# Altium PCB AVCI_Mk1.PcbDoc (part 3 of 4)
Units mm, origin at the board's own origin, x right, y up, seen from the top; angles counter-clockwise.
Board outline 166.62 x 63.88 mm, 4 copper layers (Top Layer, GND, Power, Bottom Layer), stack 1.586 mm thick; 240 components, 214 nets, 1045 pads, 618 vias.
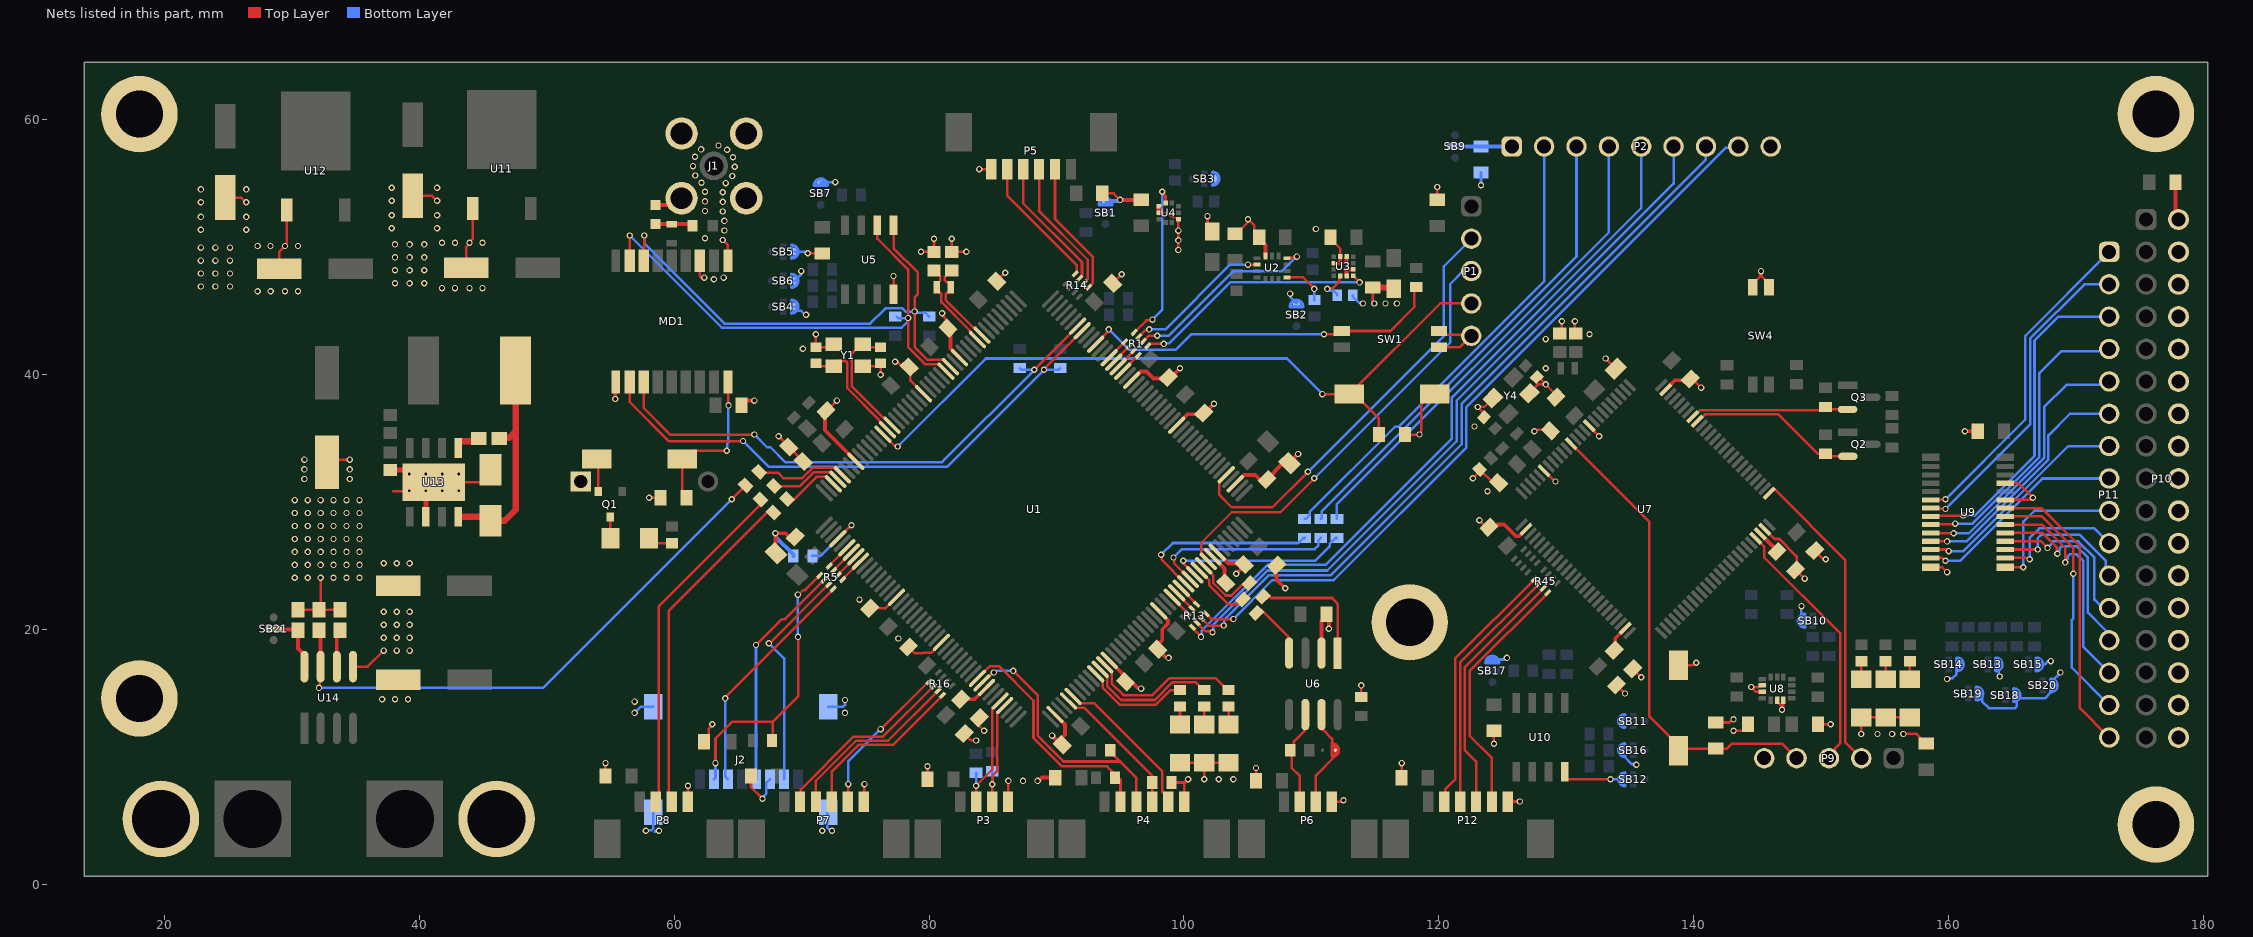
[diagram p5: the nets of this part, all layers, seen from the top]

## Via types
v1: diameter 0.5, hole 0.3, Top Layer to Bottom Layer, 609 vias
v2: diameter 0.5, hole 0.2, Top Layer to Bottom Layer, 8 vias
v3: diameter 0.5/0.5/0.5/0.5 (per signal layer), hole 0.3, Top Layer to Bottom Layer, 1 vias

## Nets (pads, with @x,y where several pads share a name; then routed paths per layer and width w, separated by ;. In a path a pad name is that pad's centre, name@x,y a point inside that pad or via, vN(x,y) a via of type N, cw(c..) or ccw(c..) an arc to the next point about the centre after c; other vN are vias at no path point) (continued)
GND: BT1.1 C1.1 C2.1 C3.2 C4.2 C5.2 C6.2 C7.2 C8.1 C9.1 C10.1 C11.2 C12.2 C13.2 C14.2 C15.2 C16.2 C17.2 C18.2 C19.2 C20.1 C21.2 C22.2 C23.2 C24.2 C25.2 C26.2 C27.2 C28.2 C29.1 C30.1 C31.2 C32.2 C33.2 C34.2 C35.2 C36.2 C37.2 C38.1 C39.2 C40.2 C41.2 C42.2 C43.2 C44.2 C45.2 C46.2 C47.2 C48.2 C49.2 C50.2 C51.2 C52.1 C53.1 C54.2 C55.2 C56.1 C57.1 C58.1 C59.1 C60.2 C61.2 C62.2 C63.2 C64.2 C65.2 C66.2 C67.2 C68.2 C69.1 C70.2 C71.2 C72.2 C74.2 C75.2 C76.2 C77.2 C78.2 C79.2 C80.2 C81.2 C82.2 C83.2 D1.1 D2.1 D3.1 D5.1 D6.1 D7.1 D8.2 J1.2 J1.3 J1.4 J1.5 J2.6 J2.Shell J3.N J4.N MD1.1 MD1.10 MD1.12 MP1.1 MP2.1 MP3.1 MP4.1 MP5.1 P1.5 P2.9 P3.4 P4.6 P5.6 P6.4 P7.6 P8.4 P9.5 P10.2 P10.4 P10.6 P10.8 P10.10 P10.12 P10.14 P10.16 P10.18 P10.20 P10.22 P10.24 P10.26 P10.28 P10.30 P10.32 P10.34 P12.6 Q1.2 R12.1 R30.1 R43.2 R75.1 SB1.2 SB2.2 SB3.2 SB4.2 SB5.2 SB6.2 SB7.2 SB10.2 SB11.2 SB12.2 SB13.2 SB14.2 SB15.2 SB16.2 SB17.2 SB18.2 SB19.2 SB20.2 SW1.3 SW1.4 SW2.2 SW3.2 SW4.3 SW4.4 SW5.2 U1.14 U1.22 U1.37 U1.61 U1.71 U1.90 U1.102 U1.113 U1.126 U1.135 U1.148 U1.158 U2.7 U3.2 U3.6 U3.8 U3.11 U3.12 U4.3 U4.8 U4.9 U5.4 U6.2 U7.10 U7.20 U7.27 U7.74 U7.99 U8.2 U8.3 U8.6 U8.7 U9.14 U9.23 U9.25 U10.4 U11.1 U12.1 U13.6 U13.9 U14.5 Y1.2 Y1.4 Y4.2 Y4.4 | length 291.5
  Top Layer w0.124: U4.9@98.048,52.706 98.678,52.706 99.06,52.324 U4.3@99.441,52.324
  Top Layer w0.2: C80.2@24.765,53.906 26.013,53.906 26.388,53.53 v1(26.416,53.53) ; C79.2@29.024,48.323 29.024,49.662 v1(29.464,50.102) 29.464,50.183 29.597,50.316 U12.1@29.597,52.918 ; C81.2@30.48,21.566 C82.2@32.131,21.566 ; v1(32.258,24.066) 32.258,21.693 C82.2@32.131,21.566 ; C74.2@32.766,33.14 32.964,33.337 v1(34.544,33.337) ; C83.2@33.782,21.566 C82.2@32.131,21.566 ; U14.5@34.798,17.088 35.947,17.088 v1(37.211,18.351) ; 37.973,30.861 39.15,30.861 v2(39.198,30.909) ; C78.2@39.497,54.033 40.999,54.033 41.374,53.657 v1(41.402,53.657) ; U13.9@41.148,31.559 44.843,31.559 45.593,32.31 D8.2@45.593,32.544 ; C77.2@43.682,48.387 43.682,50.014 43.942,50.274 v1(43.942,50.355) 43.942,50.437 44.202,50.697 U11.1@44.202,53.045 ; SW3.2@53.927,33.401 54.041,33.287 Q1.2@54.041,30.845 ; C49.2@54.61,8.509 v1(54.61,9.525) ; MD1.1@55.372,39.401 MD1.1@55.417,39.446 ; v1(58.039,30.353) C39.2@58.919,30.353 ; C38.1@58.547,53.328 C38.1@58.847,53.628 ; P8.4@61.057,6.483 61.087,6.513 v1(61.087,7.747) ; MD1.12@62.287,48.676 MD1.12@62.017,48.946 62.017,47.742 62.134,47.625 v1(62.357,47.625) ; C42.2@62.352,11.209 62.73,11.587 62.73,12.23 62.992,12.492 v1(62.992,12.573) ; v1(63.817,50.572) 64.217,50.172 MD1.10@64.217,48.946 ; C37.2@65.287,37.592 65.287,37.595 C37.2@65.665,37.973 ; C48.2@66.031,8.509 66.031,7.629 v1(66.929,6.731) ; v1(68.199,35.179) 68.998,34.38 C7.2@68.998,34.327 C6.2@70.141,33.184 ; v1(70.485,49.53) 71.628,49.53 C36.2@71.628,49.521 ; v1(71.12,43.18) C1.1@71.12,42.154 72.26,42.154 Y1.4@72.51,42.404 ; C12.2@71.831,37.085 71.883,37.085 v1(72.771,37.973) ; Y1.2@74.81,40.654 75.95,40.654 C2.1@76.2,40.904 v1(76.2,40.005) ; P7.6@74.88,6.483 74.93,6.533 v1(74.93,7.874) ; C24.2@75.348,21.68 75.437,21.768 75.971,21.768 76.054,21.686 76.598,21.686 U1.61@77.446,22.534 ; U5.4@77.216,46.322 v1(77.216,47.752) ; v1(77.343,41.021) 77.4,40.964 77.553,40.964 77.914,40.603 C26.2@78.449,40.603 78.537,40.514 78.537,39.545 U1.22@79.568,38.515 ; C21.2@78.396,18.632 78.867,18.161 79.505,18.161 79.511,18.167 80.15,18.167 U1.71@80.982,18.999 ; v1(79.375,49.657) 80.354,49.657 C9.1@80.391,49.62 v1(80.391,50.673) ; C44.2@79.874,8.255 79.883,8.264 v1(79.883,9.271) ; v1(81.026,44.831) 81.083,44.774 81.083,44.599 81.497,44.186 C27.2@81.497,43.651 ; v1(81.788,50.673) C8.1@81.788,49.62 81.825,49.657 v3(82.931,49.657) ; C23.2@82.767,11.848 83.312,11.303 v1(83.693,11.303) ; C3.2@83.947,13.081 83.897,13.031 83.897,12.496 v1(84.328,12.065) ; v1(83.947,56.134) 84.88,56.134 P5.6@84.886,56.128 ; C11.2@85.307,47.334 v1(85.979,48.006) ; P3.4@86.203,6.483 86.233,6.513 v1(86.233,8.128) ; C46.2@93.599,54.229 94.488,54.229 v1(94.996,53.721) ; C13.2@94.414,47.17 v1(95.123,47.879) ; C35.2@96.633,53.721 C35.2@96.651,53.739 ; U4.8@98.048,53.205 U4.8@98.06,53.205 ; R30.1@99.026,8.001 99.995,8.001 100.249,8.255 v1(100.33,8.255) 100.33,8.174 100.026,7.87 P4.6@100.026,6.483 ; v1(99.568,49.784) 99.57,49.786 99.57,52.203 U4.3@99.573,52.206 ; D1.1@99.695,9.549 D2.1@101.6,9.549 ; v1(101.6,8.255) D2.1@101.6,9.549 ; v1(101.854,52.451) 101.854,51.619 C29.1@102.235,51.238 ; D3.1@103.505,9.549 D2.1@101.6,9.549 ; C31.2@104.013,51.063 104.138,51.063 104.972,51.897 104.972,52.14 v1(105.029,52.197) 105.531,51.695 105.531,51.178 C32.2@105.909,50.8 ; C4.2@104.649,25.197 C4.2@104.738,25.109 ; C47.2@105.655,8.128 105.664,8.137 v1(105.664,9.144) ; C18.2@107.189,24.433 107.189,24.968 C18.2@107.278,25.056 ; C40.2@111.19,21.209 C40.2@111.379,21.02 ; C34.2@111.497,50.8 111.497,50.675 112.272,49.9 U3.12@112.272,49.277 ; P6.4@111.603,6.483 112.32,6.483 112.441,6.604 v1(112.522,6.604) ; 112.264,48.764 112.272,48.772 112.68,48.772 112.772,48.864 ; 112.653,48.264 112.649,48.26 112.676,48.26 112.772,48.164 ; R43.2@113.919,14.72 v1(113.919,15.621) ; C33.2@114.808,46.845 114.808,45.801 114.935,45.674 v1(114.935,45.593) ; C30.1@116.363,46.845 C30.1@116.459,46.749 ; C71.2@117.085,8.382 117.094,8.391 v1(117.094,9.525) ; C5.2@117.357,35.306 v1(118.491,35.306) 118.491,35.387 118.632,35.528 118.632,37.831 119.282,38.481 SW2.2@119.682,38.481 ; C41.2@119.888,53.73 v1(119.888,54.737) ; SW1.3@120.015,42.164 121.666,42.164 P1.5@122.555,43.053 122.454,43.154 120.295,43.154 SW1.4@120.015,43.434 ; v1(122.682,31.877) 123.204,32.399 C56.1@123.204,32.578 124.249,31.533 C55.2@124.699,31.533 ; v1(123.19,28.575) 123.735,28.03 C62.2@123.937,28.03 ; C58.1@123.637,36.764 123.637,36.891 v1(123.063,37.465) 123.086,37.488 123.574,37.488 Y4.4@124.246,38.16 ; v1(124.333,11.049) C69.1@124.333,12.056 ; P12.6@125.426,6.483 125.455,6.512 v1(126.365,6.512) ; Y4.2@127.11,38.548 127.804,39.243 v1(128.397,39.243) ; v1(127.508,35.56) 127.589,35.56 127.73,35.701 128.69,35.701 C64.2@128.779,35.613 ; C57.1@127.696,39.817 127.823,39.817 v1(128.397,39.243) ; U7.20@128.264,32.469 128.288,32.469 129.135,31.623 v1(129.159,31.623) ; C60.2@129.209,38.24 129.209,38.431 v1(128.397,39.243) ; C52.1@129.488,43.233 129.667,43.412 v1(129.667,44.196) ; U10.4@129.885,8.848 129.885,8.455 130.085,8.255 v1(133.477,8.255) ; v1(130.683,44.196) 130.683,43.308 C53.1@130.758,43.233 ; U7.10@131.8,36.005 131.8,35.986 132.588,35.198 v1(132.588,35.179) ; v1(133.096,41.275) 133.893,40.478 C59.1@133.893,40.473 ; C61.2@133.948,15.658 v1(134.62,14.986) ; C50.2@135.218,16.928 v1(135.89,16.256) ; SW5.2@138.811,17.193 139.921,17.193 140.127,17.399 v1(140.208,17.399) ; C63.2@139.738,39.661 139.917,39.661 v1(140.589,38.989) ; C54.2@141.732,12.709 142.803,12.709 143.048,12.954 v1(143.129,12.954) ; v1(143.129,12.065) 143.134,12.07 143.885,12.07 144.263,12.448 C66.2@144.263,12.573 ; SW4.4@144.653,46.863 144.653,47.118 145.231,47.696 145.231,48.076 v1(145.288,48.133) 145.345,48.076 145.345,47.696 145.923,47.118 SW4.3@145.923,46.863 ; U8.3@145.386,15.117 144.903,15.117 v1(144.526,15.494) 145.076,15.494 145.124,15.542 145.311,15.542 U8.2@145.386,15.617 ; U7.74@145.588,27.873 146.352,27.109 146.723,27.109 148.081,25.751 148.081,24.764 C51.2@147.993,24.675 148.045,24.675 v1(148.717,24.003) ; U8.6@146.549,14.454 146.549,14.342 146.882,14.009 146.882,13.773 v1(146.939,13.716) 146.939,13.797 147.049,13.907 U8.7@147.049,14.454 ; C65.2@149.517,26.199 150.132,25.584 150.311,25.584 v1(150.368,25.527) ; C67.2@149.751,12.573 v1(150.749,12.573) ; v1(153.162,11.811) D5.1@153.162,13.105 D6.1@155.067,13.105 D7.1@156.972,13.105 ; v1@156.48,11.811 157.489,11.811 C70.2@158.242,11.058 ; U9.14@158.61,24.885 159.51,24.885 159.884,24.511 v1(159.893,24.511) ; U9.23@164.46,30.185 166.375,30.185 166.543,30.353 v1(166.624,30.353) 165.492,31.485 U9.25@164.46,31.485
  Top Layer w0.3: v1(55.372,38.1) MD1.1@55.372,39.401 ; C38.1@58.547,53.328 59.45,53.328 59.97,53.848 J1.4@60.579,53.848 ; C37.2@65.665,37.973 v1(66.294,37.973) ; C10.1@67.985,25.995 67.883,26.097 67.883,26.684 67.945,26.746 v1(67.945,27.559) 68.733,27.559 69.033,27.259 69.497,27.259 C25.2@69.506,27.268 ; C12.2@71.831,37.085 71.831,35.645 U1.37@74.264,33.212 ; C27.2@81.497,43.651 81.497,43.187 81.674,43.009 81.674,42.065 U1.14@82.396,41.343 ; v1(88.519,8.128) 88.6,8.128 88.854,8.382 C45.2@89.907,8.382 ; v1(89.662,11.684) 90.387,10.959 C22.2@90.461,10.959 90.406,11.014 90.406,11.478 90.678,11.749 90.678,12.555 U1.90@89.891,13.342 ; U1.102@94.134,17.585 95.414,16.304 C16.2@95.414,15.912 95.878,15.912 96.385,15.405 96.609,15.405 v1(96.647,15.367) ; v1(94.996,53.721) C35.2@96.633,53.721 ; U1.158@95.902,39.576 96.585,40.259 97.063,40.259 97.622,39.7 98.882,39.7 v1(99.695,40.513) ; U1.113@98.023,21.474 98.758,20.739 98.758,20.49 98.298,20.031 98.298,19.172 97.954,18.829 C17.2@97.954,18.452 98.569,17.837 98.749,17.837 v1(98.806,17.78) ; U1.148@99.437,36.04 100.303,36.906 101.474,36.906 C15.2@101.563,36.994 101.637,36.994 v1(102.362,37.719) ; U1.126@102.619,26.07 103.492,25.197 C4.2@104.649,25.197 ; U1.135@104.033,31.444 104.721,32.131 105.599,32.131 105.997,31.732 106.461,31.732 C19.2@106.516,31.787 107.789,33.06 C20.1@108.291,33.06 108.291,33.107 v1(108.966,33.782) ; v1(104.113,24.384) 104.711,24.982 C4.2@104.738,24.982 ; C32.2@105.909,50.675 106.416,50.168 U2.7@106.416,49.318 ; C18.2@107.189,24.433 107.278,24.345 107.278,23.913 v1(107.95,23.241) ; U6.2@110.8,18.162 110.8,20.694 111.19,21.084 C40.2@111.19,21.209 ; v1(111.379,20.066) C40.2@111.379,21.02 ; U3.2@111.759,48.764 112.264,48.764 ; 112.272,48.772 U3.12@112.272,49.277 ; 112.653,48.264 U3.8@113.285,48.264 ; U3.6@112.772,47.751 112.772,48.164 ; 112.772,48.864 U3.11@112.772,49.277 ; C62.2@124.064,28.157 124.103,28.118 124.49,28.118 124.617,28.245 125.14,28.245 126.057,27.328 126.305,27.328 U7.27@126.85,27.873 ; U7.99@137.81,38.833 138.55,39.573 139.649,39.573 C63.2@139.738,39.661 ; v1(161.29,35.56) C68.2@162.297,35.56 ; C72.2@177.809,55.118 177.809,53.037 177.815,53.031 177.815,52.417 P10.2@178.054,52.178
  Top Layer w0.4: R75.1@37.719,32.51 U13.9@40.197,32.51 ; U13.6@40.513,28.86 U13.9@40.513,30.924 ; U4.9@98.048,52.706 U4.8@98.048,53.205
  Top Layer w0.5: C33.2@114.808,46.845 C30.1@116.363,46.845
  Bottom Layer w0.2: v1@56.896,13.543 v1(56.896,13.462) 57.389,13.955 J2.Shell@58.348,13.955 ; v1(57.785,4.218) 57.823,4.256 58.231,4.256 58.348,4.373 J2.Shell@58.348,5.655 ; 58.491,4.121 58.53,4.161 58.744,4.161 v1(58.801,4.218) ; v1@62.992,12.492 v1(62.992,12.573) ; v1(66.929,6.731) 66.929,6.812 67.223,7.106 67.223,7.955 J2.6@67.523,8.255 ; SB4.2@69.469,45.339 69.678,45.13 69.803,45.005 69.976,45.005 70.277,44.704 v1(70.358,44.704) ; SB6.2@69.469,47.371 69.678,47.58 69.92,47.822 69.92,48.076 v1(69.977,48.133) ; SB5.2@69.469,49.657 69.723,49.657 70.277,49.657 70.404,49.53 v1(70.485,49.53) ; SB7.2@71.501,55.118 71.941,55.118 v1(72.644,55.118) ; J2.Shell@72.026,5.636 72.026,4.45 72.201,4.275 72.333,4.275 v1(72.39,4.218) ; J2.Shell@72.098,13.955 73.264,13.955 73.406,14.097 v1(73.406,14.478) v1@73.349,14.421 ; SB1.2@93.853,53.594 SB1.2@93.923,53.664 ; v1(108.335,46.369) 108.392,46.311 108.392,46.04 108.63,45.802 SB2.2@108.839,45.593 ; C28.2@113.249,46.228 113.249,46.153 113.752,45.65 113.989,45.65 v1(114.046,45.593) ; v1(123.317,54.864) C43.2@123.317,55.871 ; SB17.2@123.952,17.653 SB17.2@124.206,17.653 124.646,17.653 125.141,17.653 125.268,17.78 v1(125.349,17.78) ; v1(133.477,8.255) 134.112,8.255 SB12.2@134.366,8.255 ; SB16.2@134.366,10.541 134.398,10.509 134.398,10.197 134.559,10.037 135.14,9.455 135.452,9.455 v1(135.509,9.398) ; SB10.2@148.463,20.701 148.463,21.141 v1(148.463,21.844) ; v1(159.893,16.129) 159.95,16.186 160.331,16.186 160.616,16.471 160.616,16.764 ; 160.655,17.003 160.909,17.257 SB14.2@160.909,17.272 ; SB19.2@162.433,14.986 162.642,14.777 162.642,14.373 163.172,13.843 165.227,13.843 165.354,13.97 165.354,14.419 ; 163.703,17.018 SB13.2@163.957,17.272 163.957,16.832 163.957,16.464 164.02,16.401 v1(164.02,16.319) ; SB18.2@165.354,14.859 165.435,14.859 165.585,14.708 165.689,14.605 167.57,14.605 168.021,15.056 168.021,15.113 168.021,15.286 168.275,15.54 SB20.2@168.275,15.621 168.275,16.061 168.275,16.113 168.656,16.494 v1@168.656,16.51 ; 165.363,14.41 165.405,14.453 165.506,14.554 ; SB15.2@167.132,17.272 167.386,17.272 167.559,17.272 167.813,17.526 v1@167.894,17.526
  Bottom Layer w0.3: v1(67.945,27.559) 68.002,27.502 68.002,27.233 69.354,25.881 R12.1@69.354,25.781 ; SB1.2@93.923,53.664 93.948,53.638 94.264,53.638 94.859,53.638 94.942,53.721 v1(94.996,53.721)
  other v1: 71.628,4.218 87.376,8.128 102.743,8.255 103.886,8.255 154.432,11.811 155.575,11.811 156.464,11.811 73.406,13.462 56.896,14.351 37.084,14.541 38.1,14.541 39.116,14.541 168.783,16.637 168.021,17.526 38.227,18.351 39.243,18.351 77.597,19.304 37.211,19.367 38.227,19.367 39.243,19.367 37.211,20.383 38.227,20.383 39.243,20.383 37.211,21.399 38.227,21.399 39.243,21.399 74.549,22.352 30.226,24.066 31.242,24.066 33.274,24.066 34.29,24.066 35.306,24.066 30.226,25.082 31.242,25.082 32.258,25.082 33.274,25.082 34.29,25.082 35.306,25.082 37.211,25.209 38.227,25.209 39.243,25.209 30.226,26.098 31.242,26.098 32.258,26.098 33.274,26.098 34.29,26.098 35.306,26.098 30.226,27.114 31.242,27.114 32.258,27.114 33.274,27.114 34.29,27.114 35.306,27.114 30.226,28.13 31.242,28.13 32.258,28.13 33.274,28.13 34.29,28.13 35.306,28.13 30.226,29.146 31.242,29.146 32.258,29.146 33.274,29.146 34.29,29.146 35.306,29.146 30.226,30.162 31.242,30.162 32.258,30.162 33.274,30.162 34.29,30.162 35.306,30.162 123.825,30.861 30.988,31.813 34.544,31.813 30.988,32.575 34.544,32.575 30.988,33.337 122.809,35.941 128.397,40.513 70.104,42.037 128.397,42.799 131.826,43.18 115.824,45.593 116.713,45.593 27.317,46.545 29.464,46.545 30.48,46.545 28.336,46.558 41.783,46.799 42.799,46.799 43.942,46.799 44.958,46.799 22.86,46.926 24.003,46.926 25.146,46.926 38.1,47.18 39.243,47.18 40.386,47.18 63.119,47.498 63.881,47.625 22.86,47.942 24.003,47.942 25.146,47.942 38.1,48.197 39.243,48.197 40.386,48.197 22.86,48.959 24.003,48.959 25.146,48.959 38.1,49.212 39.243,49.212 40.386,49.212 22.86,49.974 24.003,49.974 25.146,49.974 27.317,50.102 28.321,50.102 30.48,50.102 38.1,50.228 39.243,50.228 40.386,50.228 41.783,50.355 42.799,50.355 44.958,50.355 99.568,50.546 62.419,50.716 63.944,51.315 99.568,51.308 22.86,51.371 26.416,51.371 110.363,51.435 37.846,51.498 41.402,51.498 63.944,52.069 22.86,52.387 26.416,52.387 37.846,52.514 41.402,52.514 63.817,52.813 62.419,52.853 22.86,53.53 63.817,53.567 62.419,53.607 37.846,53.657 63.817,54.321 62.419,54.361 22.86,54.546 26.416,54.546 37.846,54.673 41.402,54.673 64.051,55.037 62.151,55.065 64.558,55.596 61.657,55.635 64.763,56.321 61.478,56.368 64.614,57.06 61.642,57.104 64.155,57.659 62.12,57.687 63.48,57.994
  other v2: 40.498,30.909 41.798,30.909 43.098,30.909 39.198,32.21 40.498,32.21 41.798,32.21 43.098,32.21
GPS_NRST: C39.1 MD1.9 SW3.1 | length 12.5
  Top Layer w0.2: C39.1@60.969,30.353 60.627,30.695 SW3.1@60.627,33.401 61.277,34.051 64.12,34.051 v1(64.135,34.036) ; MD1.9@64.217,39.446 64.262,39.401 v1(64.262,37.592)
  Bottom Layer w0.2: v1(64.135,34.036) 64.162,34.063 64.162,34.586 64.262,34.686 v1(64.262,37.592)
IMU_SA0: R34.2 U2.1 | length 3.4
  Top Layer w0.2: U2.1@108.097,47.641 109.369,47.641 110.236,46.774 v1(110.236,46.736)
  Bottom Layer w0.2: R34.2@110.236,45.862 v1(110.236,46.736)
MAG_INT1_R: R1.4 U1.160 | length 1.6
  Top Layer w0.2: U1.160@95.195,40.283 95.195,40.284 96.298,41.388 R1.4@96.298,41.389
NAVC_BOOT: R11.2 SW1.1 U1.166 | length 29.2
  Top Layer w0.2: U1.166@93.073,42.404 94.05,43.38 94.05,43.504 v1(94.107,43.561) ; v1(110.998,43.18) 112.141,43.18 SW1.1@112.395,43.434 116.205,43.434 118.077,45.306 118.077,46.715 R11.2@118.237,46.875
  Bottom Layer w0.2: v1(94.107,43.561) 95.72,41.948 99.352,41.948 100.584,43.18 v1(110.998,43.18)
NAVC_LED_0: R17.1 U1.99 | length 8.4
  Top Layer w0.2: U1.99@93.073,16.524 93.62,15.977 93.62,15.473 94.996,14.097 97.79,14.097 98.948,15.255 R17.1@99.695,15.255
NAVC_LED_1: R18.1 U1.100 | length 10.4
  Top Layer w0.2: U1.100@93.427,16.877 93.974,16.331 93.974,15.572 95.068,14.478 97.718,14.478 99.115,15.875 100.905,15.875 101.525,15.255 R18.1@101.6,15.255
NAVC_LED_2: R19.1 U1.101 | length 12.2
  Top Layer w0.2: U1.101@93.78,17.231 94.327,16.684 94.327,15.782 95.25,14.859 97.522,14.859 98.858,16.195 102.49,16.195 103.43,15.255 R19.1@103.505,15.255
NAVC_OSC25_N: C2.2 U1.29 Y1.3 | length 9.7
  Top Layer w0.2: C2.2@76.2,42.154 75.06,42.154 Y1.3@74.81,42.404 74.685,42.404 73.911,41.63 73.911,41.136 73.94,41.107 73.94,39.087 76.36,36.667 76.439,36.667 77.066,36.04 U1.29@77.093,36.04
NAVC_OSC25_P: C1.2 U1.30 Y1.1 | length 9.4
  Top Layer w0.2: C1.2@71.12,40.904 71.37,40.654 Y1.1@72.51,40.654 72.935,41.079 73.473,41.079 73.59,40.962 73.59,38.942 76.112,36.419 76.112,36.34 76.739,35.714 U1.30@76.739,35.687
NAVC_OSC32_N: C9.2 U1.10 Y2.2 | length 7.2
  Top Layer w0.2: C9.2@80.391,48.17 80.441,48.17 80.899,47.712 80.899,47.409 80.603,47.113 Y2.2@80.603,46.863 80.603,46.613 80.753,46.463 80.861,46.463 80.978,46.346 80.978,45.696 83.183,43.49 83.183,43.411 83.81,42.785 U1.10@83.81,42.758
NAVC_OSC32_P: C8.2 U1.9 Y2.1 | length 7
  Top Layer w0.2: C8.2@81.788,48.17 81.738,48.17 81.249,47.681 81.249,47.41 81.396,47.263 81.553,47.263 81.703,47.113 Y2.1@81.703,46.863 81.703,46.613 81.553,46.463 81.445,46.463 81.328,46.346 81.328,45.841 83.431,43.738 83.51,43.738 84.137,43.111 U1.9@84.164,43.111
NetC3_1: C3.1 U1.81 | length 2.4
  Top Layer w0.3: C3.1@82.587,14.441 82.676,14.529 83.583,14.529 U1.81@84.517,15.463
NetC4_1: C4.1 U1.125 | length 2.5
  Top Layer w0.3: U1.125@102.266,25.716 103.2,24.782 103.2,23.748 C4.1@103.288,23.659
NetC5_1: C5.1 P1.4 SW2.1 U1.31 | length 57.9
  Top Layer w0.2: U1.31@76.386,35.333 77.293,34.426 77.491,34.426 v1(77.548,34.368) ; v1(110.871,38.481) SW2.1@112.982,38.481 SW2.1@113.008,38.481 ; C5.1@115.307,35.306 115.307,36.556 113.382,38.481 SW2.1@113.008,38.481 ; P1.4@122.555,45.593 120.12,45.593 SW2.1@113.008,38.481
  Bottom Layer w0.2: v1(77.548,34.368) 84.455,41.275 108.077,41.275 v1(110.871,38.481)
NetC28_1: C28.1 U3.5 | length 2.7
  Top Layer w0.2: v1(111.252,46.736) 111.309,46.793 111.69,46.793 112.197,47.3 112.197,47.676 U3.5@112.272,47.751
  Bottom Layer w0.2: v1(111.252,46.736) 111.333,46.736 111.491,46.578 111.774,46.578 112.049,46.303 C28.1@112.049,46.228
NetC38_2: C38.2 L1.1 R37.2 | length 3.1
  Top Layer w0.2: R37.2@59.805,51.816 R37.2@59.817,51.804 ; L1.1@61.291,51.828 L1.1@61.43,51.689
  Top Layer w0.3: C38.2@58.547,51.828 61.291,51.828 L1.1@61.418,51.828
NetC43_1: C43.1 P2.1 SB9.3 | length 4.4
  Bottom Layer w0.3: SB9.3@121.285,57.912 P2.1@125.73,57.912
NetC50_1: C50.1 U7.49 | length 2.1
  Top Layer w0.3: C50.1@133.768,18.378 133.857,18.466 133.857,19.323 U7.49@134.628,20.095
NetC51_1: C51.1 U7.73 | length 1.9
  Top Layer w0.3: U7.73@145.235,27.519 145.914,26.84 146.543,26.211 C51.1@146.543,26.125
NetC54_1: C54.1 P9.4 SW5.1 U7.14 | length 37.6
  Top Layer w0.2: U7.14@130.385,34.591 136.525,28.451 136.525,13.179 138.811,10.893 SW5.1@138.811,10.493 138.977,10.659 C54.1@141.732,10.659 142.612,10.659 143.002,11.049 146.939,11.049 P9.4@148.082,9.906
NetC73_1: C73.1 D8.1 L2.1 U13.8 | length 16.6
  Top Layer w0.5: U13.8@43.053,28.86 D8.1@45.277,28.86 ; D8.1@45.593,28.543 46.704,28.543 47.562,29.401 47.562,35.551 ; C73.1@46.268,34.989 46.324,35.044 47.055,35.044 47.562,35.551 ; L2.1@47.562,39.878 47.562,35.551
NetC73_2: C73.2 U13.1 | length 2.2
  Top Layer w0.5: U13.1@43.053,34.259 43.053,34.734 43.103,34.784 44.46,34.784 C73.2@44.664,34.989
NetC81_1: C81.1 SB21.3 U14.8 | length 5
  Top Layer w0.2: C81.1@30.44,20.002 C81.1@30.48,19.963
  Top Layer w0.3: SB21.3@28.575,20.002 C81.1@30.44,20.002 ; C81.1@30.48,19.963 30.48,18.522 30.988,18.014 U14.8@30.988,17.088
NetC82_1: C82.1 R2.1 U14.7 | length 44.7
  Top Layer w0.2: v1(32.131,15.43) 32.188,15.488 32.188,17.018 U14.7@32.258,17.088 ; v1(64.516,30.226) R2.1@65.614,31.324
  Top Layer w0.3: C82.1@32.131,19.963 32.258,19.836 U14.7@32.258,17.088
  Bottom Layer w0.2: v1(32.131,15.43) 49.721,15.43 v1(64.516,30.226)
NetC83_1: C83.1 U14.6 | length 3
  Top Layer w0.3: U14.6@33.528,17.088 33.528,19.709 C83.1@33.782,19.963
NetD1_2: D1.2 R17.2 | length 1.4
  Top Layer w0.2: D1.2@99.695,12.549 R17.2@99.695,13.955
NetD2_2: D2.2 R18.2 | length 1.4
  Top Layer w0.2: D2.2@101.6,12.549 R18.2@101.6,13.955
NetD3_2: D3.2 R19.2 | length 1.4
  Top Layer w0.2: D3.2@103.505,12.549 R19.2@103.505,13.955
NetD4_1: D4.1 Q1.3 | length 1.7
  Top Layer w0.2: Q1.3@54.991,28.845 54.991,27.202 D4.1@55.015,27.178
NetD4_2: D4.2 R36.1 | length 2
  Top Layer w0.2: D4.2@58.015,27.178 58.411,26.782 R36.1@59.817,26.782
NetD5_2: D5.2 R55.2 | length 1.4
  Top Layer w0.2: D5.2@153.162,16.105 R55.2@153.162,17.511
NetD6_2: D6.2 R56.2 | length 1.4
  Top Layer w0.2: D6.2@155.067,16.105 R56.2@155.067,17.511
NetD7_2: D7.2 R57.2 | length 1.4
  Top Layer w0.2: D7.2@156.972,16.105 R57.2@156.972,17.511
NetJ2_2: J2.2 R5.1 R44.1 | length 22.9
  Top Layer w0.2: v1(63.246,9.525) 63.246,11.446 64.583,12.783 67.751,12.783 ; R44.1@67.679,11.303 67.751,11.375 67.751,12.783 ; v1(69.708,22.748) 69.778,22.748 70.132,23.102 70.274,23.102 R5.1@71.421,24.249 ; v1(69.723,19.431) 69.723,14.755 67.751,12.783
  Bottom Layer w0.2: J2.2@63.123,8.255 63.246,8.378 v1(63.246,9.525) ; v1(69.708,22.748) 69.716,22.74 69.716,19.438 v1(69.723,19.431)
NetJ2_3: J2.3 R5.4 | length 18.5
  Top Layer w0.2: v1(64.008,14.605) 64.008,14.662 72.482,23.135 R5.4@72.482,23.188
  Bottom Layer w0.2: v1(64.008,14.605) 64.008,8.47 J2.3@64.223,8.255
NetJ2_5: J2.5 R5.2 | length 18
  Top Layer w0.2: v1(66.421,18.796) 68.453,20.828 68.707,20.828 R5.2@71.775,23.896
  Bottom Layer w0.2: v1(66.421,18.796) 66.423,18.794 J2.5@66.423,8.255
NetJ2_7: J2.7 R5.3 | length 17.8
  Top Layer w0.2: v1(67.437,18.923) 67.473,18.923 72.092,23.542 R5.3@72.128,23.542
  Bottom Layer w0.2: v1(67.437,18.923) 68.623,17.737 J2.7@68.623,8.255
NetMD1_2: MD1.2 R23.1 U1.169 | length 45
  Top Layer w0.2: MD1.2@56.517,39.446 56.517,37.844 59.563,34.798 v1(65.405,34.798) ; v1(89.027,40.386) 89.027,40.452 92.013,43.438 U1.169@92.013,43.465
  Bottom Layer w0.2: v1(65.405,34.798) 67.437,32.766 81.407,32.766 v1(89.027,40.386) 90.158,40.386 R23.1@90.297,40.525
NetMD1_3: MD1.3 R22.1 U1.170 | length 43.5
  Top Layer w0.2: MD1.3@57.617,39.446 57.617,37.379 59.69,35.306 v1(66.294,35.306) ; v1(88.265,40.386) 88.265,40.405 91.659,43.799 U1.170@91.659,43.818
  Bottom Layer w0.2: v1(66.294,35.306) 67.291,34.309 67.545,34.309 68.707,33.147 81.026,33.147 v1(88.265,40.386) 87.261,40.386 R22.1@87.122,40.525
NetMD1_16: MD1.16 R27.1 U1.16 U5.5 | length 42.3
  Top Layer w0.2: MD1.16@57.617,48.946 57.658,48.987 v1(57.658,50.927) ; U5.5@77.216,51.722 77.216,49.911 79.121,48.006 79.121,46.332 78.867,46.078 v1(78.867,44.958) 78.867,42.164 79.848,41.183 81.142,41.183 U1.16@81.689,40.636
  Bottom Layer w0.2: v1(57.658,50.927) 57.658,50.292 63.942,44.008 75.377,44.008 76.581,45.212 77.907,45.212 78.161,44.958 v1(78.867,44.958) 78.948,44.958 79.041,44.865 79.71,44.865 R27.1@80.01,44.565
NetMD1_17: MD1.17 R26.1 U1.17 U5.6 | length 42.5
  Top Layer w0.2: v1(56.515,50.927) 56.515,48.948 MD1.17@56.517,48.946 ; U5.6@75.946,51.722 75.946,50.673 78.359,48.26 v1(78.359,44.45) 78.359,42.164 79.693,40.83 80.789,40.83 U1.17@81.335,40.283
  Bottom Layer w0.2: v1(56.515,50.927) 63.754,43.688 77.851,43.688 78.302,44.139 78.302,44.393 v1(78.359,44.45) 77.585,44.45 R26.1@77.47,44.565
NetP1_2: P1.2 U1.137 | length 33.9
  Top Layer w0.2: U1.137@103.326,32.151 102.78,31.604 102.78,30.57 103.759,29.591 106.934,29.591 v1(109.728,32.385)
  Bottom Layer w0.2: v1(109.728,32.385) 120.396,43.053 120.396,48.514 P1.2@122.555,50.673
NetP1_3: P1.3 U1.124 | length 34.4
  Top Layer w0.2: U1.124@101.912,25.363 101.365,25.91 101.365,26.816 103.759,29.21 107.569,29.21 v1(110.236,31.877)
  Bottom Layer w0.2: v1(110.236,31.877) 120.904,42.545 120.904,47.117 121.92,48.133 P1.3@122.555,48.133
NetP2_2: P2.2 R6.1 | length 37.2
  Bottom Layer w0.2: R6.1@109.474,28.69 109.567,28.69 109.867,28.99 109.867,29.222 116.547,35.902 116.846,35.902 128.27,47.326 P2.2@128.27,57.912
NetP2_3: P2.3 R7.1 | length 37.5
  Bottom Layer w0.2: R7.1@110.744,28.69 110.807,28.753 110.807,29.273 130.81,49.276 P2.3@130.81,57.912
NetP2_4: P2.4 R8.1 | length 38.1
  Bottom Layer w0.2: R8.1@112.014,28.69 112.014,29.845 133.35,51.181 P2.4@133.35,57.912
NetP2_5: P2.5 R13.1 | length 56.5
  Top Layer w0.2: R13.1@100.679,20.18 100.679,20.139 101.346,19.472 v1(101.346,19.431)
  Bottom Layer w0.2: v1(101.346,19.431) 101.403,19.488 101.403,19.915 106.568,25.08 111.115,25.08 121.031,34.996 121.031,38.227 135.89,53.086 P2.5@135.89,57.912
NetP2_6: P2.6 R13.2 | length 57.4
  Top Layer w0.2: R13.2@101.032,20.534 101.712,19.855 102.192,19.855 v1(102.25,19.797)
  Bottom Layer w0.2: v1(102.25,19.797) 102.288,19.835 102.288,20.347 106.579,24.638 111.252,24.638 121.412,34.798 121.412,37.973 138.43,54.991 P2.6@138.43,57.912
NetP2_7: P2.7 R13.3 | length 58.1
  Top Layer w0.2: R13.3@101.386,20.888 101.954,20.32 v1(103.124,20.32)
  Bottom Layer w0.2: v1(103.124,20.32) 103.181,20.377 103.181,20.788 106.65,24.257 111.506,24.257 121.793,34.544 121.793,37.719 140.97,56.896 P2.7@140.97,57.912
NetP2_8: P2.8 R13.4 | length 59.2
  Top Layer w0.2: R13.4@101.74,21.241 102.153,20.828 v1(103.886,20.828)
  Bottom Layer w0.2: v1(103.886,20.828) 106.934,23.876 111.76,23.876 122.174,34.29 122.174,37.465 142.527,57.818 143.416,57.818 P2.8@143.51,57.912
NetP3_2: P3.2 R28.1 U1.84 | length 9.7
  Top Layer w0.2: P3.2@83.703,6.483 83.693,6.493 v1(83.693,7.747) 84.963,9.017 84.963,13.761 85.578,14.376 U1.84@85.578,14.403
  Bottom Layer w0.2: v1(83.693,7.747) R28.1@83.693,8.763
NetP3_3: P3.3 R29.1 U1.85 | length 9
  Top Layer w0.2: P3.3@84.953,6.483 84.963,6.493 v1(84.963,7.862) 84.963,8.509 85.344,8.89 85.344,13.434 85.932,14.022 U1.85@85.932,14.049
  Bottom Layer w0.2: v1(84.963,7.862) R29.1@84.963,8.89
NetP4_2: P4.2 R20.1 U1.79 | length 18.8
  Top Layer w0.2: U1.79@83.81,16.17 84.779,17.139 85.477,17.139 88.199,14.417 88.199,11.496 90.424,9.271 93.98,9.271 95.026,8.225 P4.2@95.026,6.483
NetP4_3: P4.3 R21.1 U1.80 | length 20.8
  Top Layer w0.2: U1.80@84.164,15.817 84.191,15.817 85.011,16.637 v1(85.09,16.637) ; v1(86.614,16.764) 88.519,14.859 88.519,11.684 90.551,9.652 94.996,9.652 ; R21.1@94.222,10.414 94.249,10.414 94.522,10.141 94.522,10.126 94.996,9.652 ; P4.3@96.276,6.483 96.276,8.372 94.996,9.652
  Bottom Layer w0.2: v1(85.09,16.637) 85.171,16.637 85.298,16.764 v1(86.614,16.764)
NetP4_4: P4.4 R30.2 U1.93 | length 11
  Top Layer w0.2: U1.93@90.952,14.403 91.499,13.856 92.189,13.856 97.526,8.519 R30.2@97.526,8.001 P4.4@97.526,6.483
NetP4_5: P4.5 U1.94 | length 12.1
  Top Layer w0.2: U1.94@91.306,14.756 91.852,14.209 92.979,14.209 98.298,8.89 98.298,7.3 98.415,7.183 98.471,7.183 98.776,6.878 P4.5@98.776,6.483
NetP5_2: P5.2 R14.1 | length 10.6
  Top Layer w0.2: P5.2@89.886,56.128 89.886,52.227 92.858,49.255 92.858,47.197 92.536,46.875 R14.1@92.536,46.871
NetP5_3: P5.3 R14.2 | length 10.6
  Top Layer w0.2: P5.3@88.636,56.128 88.636,52.842 92.456,49.022 92.456,47.551 92.182,47.277 R14.2@92.182,47.224
NetP5_4: P5.4 R14.3 | length 10.5
  Top Layer w0.2: P5.4@87.386,56.128 87.386,53.457 92.005,48.838 92.005,47.807 91.829,47.631 R14.3@91.829,47.578
NetP5_5: P5.5 R14.4 | length 10.9
  Top Layer w0.2: P5.5@86.441,55.823 P5.5@86.136,56.128 86.136,54.072 91.59,48.618 91.59,48.046 R14.4@91.475,47.932
NetP6_2: P6.2 R42.2 U6.6 | length 7.5
  Top Layer w0.2: P6.2@109.103,6.483 109.103,8.499 108.482,9.12 108.482,10.541 108.633,10.692 108.633,11.224 109.449,12.04 109.449,13.254 U6.6@109.53,13.334
NetP6_3: P6.3 SB8.2 U6.7 | length 7.9
  Top Layer w0.2: P6.3@110.353,6.483 110.353,8.567 111.887,10.101 SB8.2@111.887,10.541 111.877,10.551 111.877,10.788 111.633,11.032 111.624,11.04 ; U6.7@110.8,13.334 110.8,12.297 110.958,12.138 110.958,12.105 111.633,11.43 111.633,11.049
NetP7_2: P7.2 R16.2 | length 14.8
  Top Layer w0.2: P7.2@69.88,6.483 69.95,6.553 69.95,7.466 74.081,11.597 76.395,11.597 R16.2@80.351,15.554
NetP7_3: P7.3 R16.3 | length 14.2
  Top Layer w0.2: P7.3@71.13,6.483 71.13,8.138 74.269,11.277 76.782,11.277 R16.3@80.705,15.2
NetP7_4: P7.4 R16.4 | length 13.5
  Top Layer w0.2: P7.4@72.38,6.483 72.38,8.88 74.457,10.957 77.169,10.957 R16.4@81.058,14.846
NetP7_5: P7.5 R16.1 | length 12.1
  Top Layer w0.2: P7.5@73.63,6.483 73.66,6.513 v1(73.66,7.874) ; v1(76.2,12.192) 76.241,12.192 79.956,15.907 R16.1@79.997,15.907
  Bottom Layer w0.2: v1(73.66,7.874) 73.66,9.652 v1(76.2,12.192)
NetP8_2: P8.2 R3.1 | length 27.1
  Top Layer w0.2: P8.2@58.557,6.483 58.801,6.727 58.801,21.844 66.78,29.823 R3.1@66.78,30.204
NetP8_3: P8.3 R4.1 | length 26.5
  Top Layer w0.2: P8.3@59.807,6.483 59.563,6.727 59.563,21.463 67.33,29.23 67.754,29.23 R4.1@67.796,29.188
NetP9_2: P9.2 U7.76 | length 24.5
  Top Layer w0.2: U7.76@145.942,30.701 146.26,31.02 146.331,31.02 151.892,25.458 151.892,11.176 P9.2@153.162,9.906
NetP9_3: P9.3 U7.72 | length 20.4
  Top Layer w0.2: U7.72@144.881,27.166 145.559,26.488 145.559,25.637 151.511,19.685 151.511,11.104 150.622,10.215 P9.3@150.622,9.906
NetP11_1: P11.1 U9.6 | length 25.9
  Top Layer w0.2: U9.6@158.61,30.185 158.63,30.205 159.745,30.205 v1(159.766,30.226)
  Bottom Layer w0.2: v1(159.766,30.226) 166.024,36.484 166.024,43.05 P11.1@172.611,49.638
NetP11_2: P11.2 U9.7 | length 25.3
  Top Layer w0.2: U9.7@158.61,29.535 158.645,29.5 159.73,29.5 v1(159.766,29.464)
  Bottom Layer w0.2: v1(159.766,29.464) 166.401,36.099 166.401,42.83 170.669,47.098 P11.2@172.611,47.098
NetP11_3: P11.3 U9.8 | length 25.8
  Top Layer w0.2: U9.8@158.61,28.885 158.645,28.921 161.128,28.921 v1(161.163,28.956)
  Bottom Layer w0.2: v1(161.163,28.956) 162.082,28.956 166.751,33.625 166.751,42.672 168.637,44.558 P11.3@172.611,44.558
NetP11_4: P11.4 U9.9 | length 23.6
  Top Layer w0.2: U9.9@158.61,28.235 158.653,28.278 160.485,28.278 v1(160.528,28.321)
  Bottom Layer w0.2: v1(160.528,28.321) 161.899,28.321 167.132,33.554 167.132,40.132 168.84,41.84 172.434,41.84 P11.4@172.611,42.018
NetP11_5: P11.5 U9.10 | length 21.3
  Top Layer w0.2: U9.10@158.61,27.585 158.623,27.572 160.388,27.572 v1(160.401,27.559)
  Bottom Layer w0.2: v1(160.401,27.559) 161.59,27.559 167.513,33.482 167.513,37.465 169.258,39.21 172.344,39.21 P11.5@172.611,39.478
NetP11_6: P11.6 U9.11 | length 19.3
  Top Layer w0.2: U9.11@158.61,26.935 159.882,26.935 v1(159.893,26.924)
  Bottom Layer w0.2: v1(159.893,26.924) 161.417,26.924 167.833,33.34 167.833,35.245 169.526,36.938 P11.6@172.611,36.938
NetP11_7: P11.7 U9.12 | length 17.5
  Top Layer w0.2: U9.12@158.61,26.285 159.816,26.285 159.939,26.162 v1(160.02,26.162)
  Bottom Layer w0.2: v1(160.02,26.162) 161.163,26.162 169.399,34.398 P11.7@172.611,34.398
NetP11_8: P11.8 U9.13 | length 16.8
  Top Layer w0.2: U9.13@158.61,25.635 159.51,25.635 159.745,25.4 v1(159.766,25.4)
  Bottom Layer w0.2: v1(159.766,25.4) 160.909,25.4 167.367,31.858 P11.8@172.611,31.858
NetP11_9: P11.9 U9.15 | length 12.1
  Top Layer w0.2: U9.15@164.46,24.885 164.467,24.892 v1(165.862,24.892)
  Bottom Layer w0.2: v1(165.862,24.892) 165.862,28.448 166.732,29.318 P11.9@172.611,29.318
NetP11_10: P11.10 U9.16 | length 10.7
  Top Layer w0.2: U9.16@164.46,25.635 164.469,25.645 166.171,25.645 166.289,25.527 v1(166.37,25.527)
  Bottom Layer w0.2: v1(166.37,25.527) 166.37,27.178 167.132,27.94 171.449,27.94 P11.10@172.611,26.778
NetP11_11: P11.11 U9.17 | length 11
  Top Layer w0.2: U9.17@164.46,26.285 164.462,26.287 167.003,26.287 v1(167.005,26.289)
  Bottom Layer w0.2: v1(167.005,26.289) 167.005,27.178 167.259,27.432 170.307,27.432 172.352,25.387 172.352,24.497 P11.11@172.611,24.238
NetP11_12: P11.12 U9.18 | length 12.8
  Top Layer w0.2: U9.18@164.46,26.935 167.248,26.935 v1(167.767,26.416)
  Bottom Layer w0.2: v1(167.767,26.416) 167.767,26.432 168.148,26.813 168.148,26.924 170.18,26.924 171.45,25.654 171.45,22.352 171.837,21.965 172.344,21.965 P11.12@172.611,21.698
NetP11_13: P11.13 U9.19 | length 15.4
  Top Layer w0.2: U9.19@164.46,27.585 167.39,27.585 168.49,26.485 168.49,26.006 v1(168.547,25.949)
  Bottom Layer w0.2: v1(168.547,25.949) 168.547,26.03 168.746,26.229 168.746,26.417 168.872,26.543 170.053,26.543 170.942,25.654 170.942,21.336 172.344,19.934 172.344,19.425 P11.13@172.611,19.158
NetP11_14: P11.14 U9.20 | length 18.3
  Top Layer w0.2: U9.20@164.46,28.235 167.345,28.235 169.164,26.416 v1(169.164,25.273)
  Bottom Layer w0.2: v1(169.164,25.273) 169.164,25.354 169.377,25.567 169.377,25.767 169.518,25.908 170.063,25.908 170.561,25.41 170.561,18.668 P11.14@172.611,16.618
NetP11_15: P11.15 U9.21 | length 20
  Top Layer w0.2: U9.21@164.46,28.885 167.33,28.885 169.799,26.416 v1(169.799,24.384)
  Bottom Layer w0.2: v1(169.799,24.384) 169.799,20.883 169.672,20.756 169.672,17.017 P11.15@172.611,14.078
NetP11_16: P11.16 U9.22 | length 23
  Top Layer w0.2: U9.22@164.46,29.535 167.315,29.535 170.307,26.543 170.307,13.842 P11.16@172.611,11.538
NetP12_2: P12.2 R45.5 | length 20.4
  Top Layer w0.2: P12.2@120.426,6.483 120.496,6.553 120.496,7.466 121.285,8.255 121.285,17.734 R45.5@127.498,23.946
NetP12_3: P12.3 R45.6 | length 19.7
  Top Layer w0.2: P12.3@121.676,6.483 121.676,17.417 R45.6@127.851,23.593
NetP12_4: P12.4 R45.7 | length 19.7
  Top Layer w0.2: P12.4@122.926,6.483 122.926,9.651 122.047,10.53 122.047,17.081 R45.7@128.205,23.239
NetP12_5: P12.5 R45.8 | length 19.7
  Top Layer w0.2: P12.5@124.176,6.483 124.176,9.922 122.428,11.67 122.428,16.755 R45.8@128.558,22.886
NetQ2_2: Q2.2 R59.1 U7.92 | length 13.4
  Top Layer w0.2: U7.92@140.285,36.358 140.356,36.358 140.888,36.891 146.65,36.891 149.747,33.794 R59.1@150.347,33.794 150.547,33.594 Q2.2@152.104,33.594
NetQ3_2: Q3.2 R62.1 U7.93 | length 12.6
  Top Layer w0.2: U7.93@139.931,36.712 139.98,36.712 140.479,37.211 150.081,37.211 R62.1@150.347,37.477 150.547,37.277 Q3.2@152.082,37.277
NetR1_1: R1.1 U1.163 | length 1.6
  Top Layer w0.2: U1.163@94.134,41.343 94.134,41.345 95.237,42.448 R1.1@95.237,42.45
NetR1_2: R1.2 U1.162 | length 1.6
  Top Layer w0.2: U1.162@94.488,40.99 U1.162@94.488,40.99 95.591,42.095 R1.2@95.591,42.097
NetR1_3: R1.3 U1.161 | length 1.6
  Top Layer w0.2: U1.161@94.841,40.636 U1.161@94.841,40.636 95.945,41.741 R1.3@95.945,41.743
NetR1_5: R1.5 U3.7 | length 19.4
  Top Layer w0.2: R1.5@97.168,42.259 97.221,42.259 97.38,42.418 v1(98.425,42.418) ; U3.7@113.285,47.764 113.297,47.764 113.792,47.269 v1(113.792,47.244)
  Bottom Layer w0.2: v1(98.425,42.418) 98.482,42.475 98.863,42.475 103.632,47.244 v1(113.792,47.244)
NetR1_6: R1.6 U2.4 | length 15.6
  Top Layer w0.2: R1.6@96.814,42.612 97.264,43.063 97.907,43.063 v1(97.917,43.053) ; U2.4@108.097,49.141 108.138,49.182 108.664,49.182 108.758,49.276 v1@108.839,49.276
  Bottom Layer w0.2: v1(97.917,43.053) 98.806,43.053 103.886,48.133 107.696,48.133 v1@108.839,49.276
  other v1: 108.872,49.269
NetR1_7: R1.7 U2.9 | length 11.6
  Top Layer w0.2: R1.7@96.46,42.966 96.998,43.504 97.225,43.504 v1(97.282,43.561) ; v1(105.029,48.641) U2.9@105.735,48.641
  Bottom Layer w0.2: v1(97.282,43.561) 98.552,43.561 103.632,48.641 v1(105.029,48.641)
NetR1_8: R1.8 U4.7 | length 13.2
  Top Layer w0.2: R1.8@96.107,43.32 97.053,44.266 97.479,44.266 v1(97.536,44.323) ; v1(98.298,54.356) 98.298,54.275 98.56,54.013 U4.7@98.56,53.468
  Bottom Layer w0.2: v1(97.536,44.323) 98.298,45.085 v1(98.298,54.356)
NetR2_2: R2.2 U1.40 | length 7.3
  Top Layer w0.2: R2.2@66.675,32.385 66.746,32.314 68.143,32.314 68.58,31.877 70.032,31.877 70.853,32.698 72.657,32.698 U1.40@73.204,32.151
NetR3_2: R3.2 U1.41 | length 5.7
  Top Layer w0.2: R3.2@67.84,31.264 67.911,31.194 68.335,31.194 68.406,31.264 69.872,31.264 70.952,32.344 72.303,32.344 U1.41@72.85,31.797
NetR4_2: R4.2 U1.42 | length 4.6
  Top Layer w0.2: R4.2@68.856,30.248 68.927,30.178 69.351,30.178 71.164,31.991 71.95,31.991 U1.42@72.497,31.444
NetR5_5: R5.5 U1.53 | length 2
  Top Layer w0.2: R5.5@73.224,23.931 73.224,23.95 74.618,25.344 U1.53@74.618,25.363
NetR5_6: R5.6 U1.52 | length 2
  Top Layer w0.2: R5.6@72.871,24.284 72.871,24.304 74.264,25.697 U1.52@74.264,25.716
NetR5_7: R5.7 U1.51 | length 2
  Top Layer w0.2: R5.7@72.517,24.638 72.517,24.657 73.911,26.051 U1.51@73.911,26.07
NetR5_8: R5.8 U1.50 | length 2
  Top Layer w0.2: R5.8@72.163,24.992 72.163,25.011 73.557,26.404 U1.50@73.557,26.423
NetR6_2: R6.2 U1.119 | length 14.9
  Top Layer w0.2: v1(98.216,25.878) 98.273,25.821 98.273,25.466 U1.119@100.144,23.595
  Bottom Layer w0.2: v1(98.216,25.878) 99.135,26.797 108.981,26.797 109.374,27.19 R6.2@109.474,27.19
NetR7_2: R7.2 U1.120 | length 14.7
  Top Layer w0.2: v1(99.187,25.654) 99.244,25.597 99.244,25.202 U1.120@100.498,23.949
  Bottom Layer w0.2: v1(99.187,25.654) 99.849,26.316 110.263,26.316 110.554,26.607 110.554,27 R7.2@110.744,27.19
NetR8_2: R8.2 U1.121 | length 14.4
  Top Layer w0.2: v1(99.949,25.4) 100.006,25.343 100.006,25.147 U1.121@100.852,24.302
  Bottom Layer w0.2: v1(99.949,25.4) 110.291,25.4 111.464,26.573 111.464,26.74 111.914,27.19 R8.2@112.014,27.19
NetR9_1: R9.1 U6.4 | length 4.5
  Top Layer w0.2: R9.1@105.813,21.314 105.855,21.356 106.279,21.356 108.179,19.456 108.179,18.242 U6.4@108.26,18.162
NetR9_2: R9.2 U1.122 | length 5
  Top Layer w0.2: U1.122@101.205,24.656 101.984,23.877 101.984,23.492 103.501,21.975 104.187,21.975 104.586,22.374 R9.2@104.626,22.374 R9.2@104.753,22.374
NetR10_1: R10.1 U6.1 | length 10
  Top Layer w0.2: R10.1@106.194,22.584 106.257,22.646 106.681,22.646 106.848,22.479 111.633,22.479 112.07,22.042 U6.1@112.07,18.162
NetR10_2: R10.2 U1.123 | length 5.3
  Top Layer w0.2: U1.123@101.559,25.009 101.559,24.982 102.304,24.237 102.304,23.656 103.285,22.675 103.74,22.675 104.709,23.644 R10.2@105.134,23.644
NetR12_2: R12.2 U1.48 | length 5.6
  Top Layer w0.2: U1.48@72.85,27.131 v1(73.914,28.194)
  Bottom Layer w0.2: R12.2@70.854,25.781 71.501,25.781 v1(73.914,28.194)
NetR13_5: R13.5 U1.118 | length 1.8
  Top Layer w0.2: U1.118@99.791,23.241 99.791,23.216 100.997,22.009 R13.5@100.997,21.984
NetR13_6: R13.6 U1.117 | length 1.8
  Top Layer w0.2: U1.117@99.437,22.888 99.437,22.862 100.644,21.656 R13.6@100.644,21.63
NetR13_7: R13.7 U1.116 | length 1.8
  Top Layer w0.2: U1.116@99.084,22.534 99.084,22.509 100.29,21.302 R13.7@100.29,21.276